# Allegro board BRD-05058-01_B04.brd (continued)
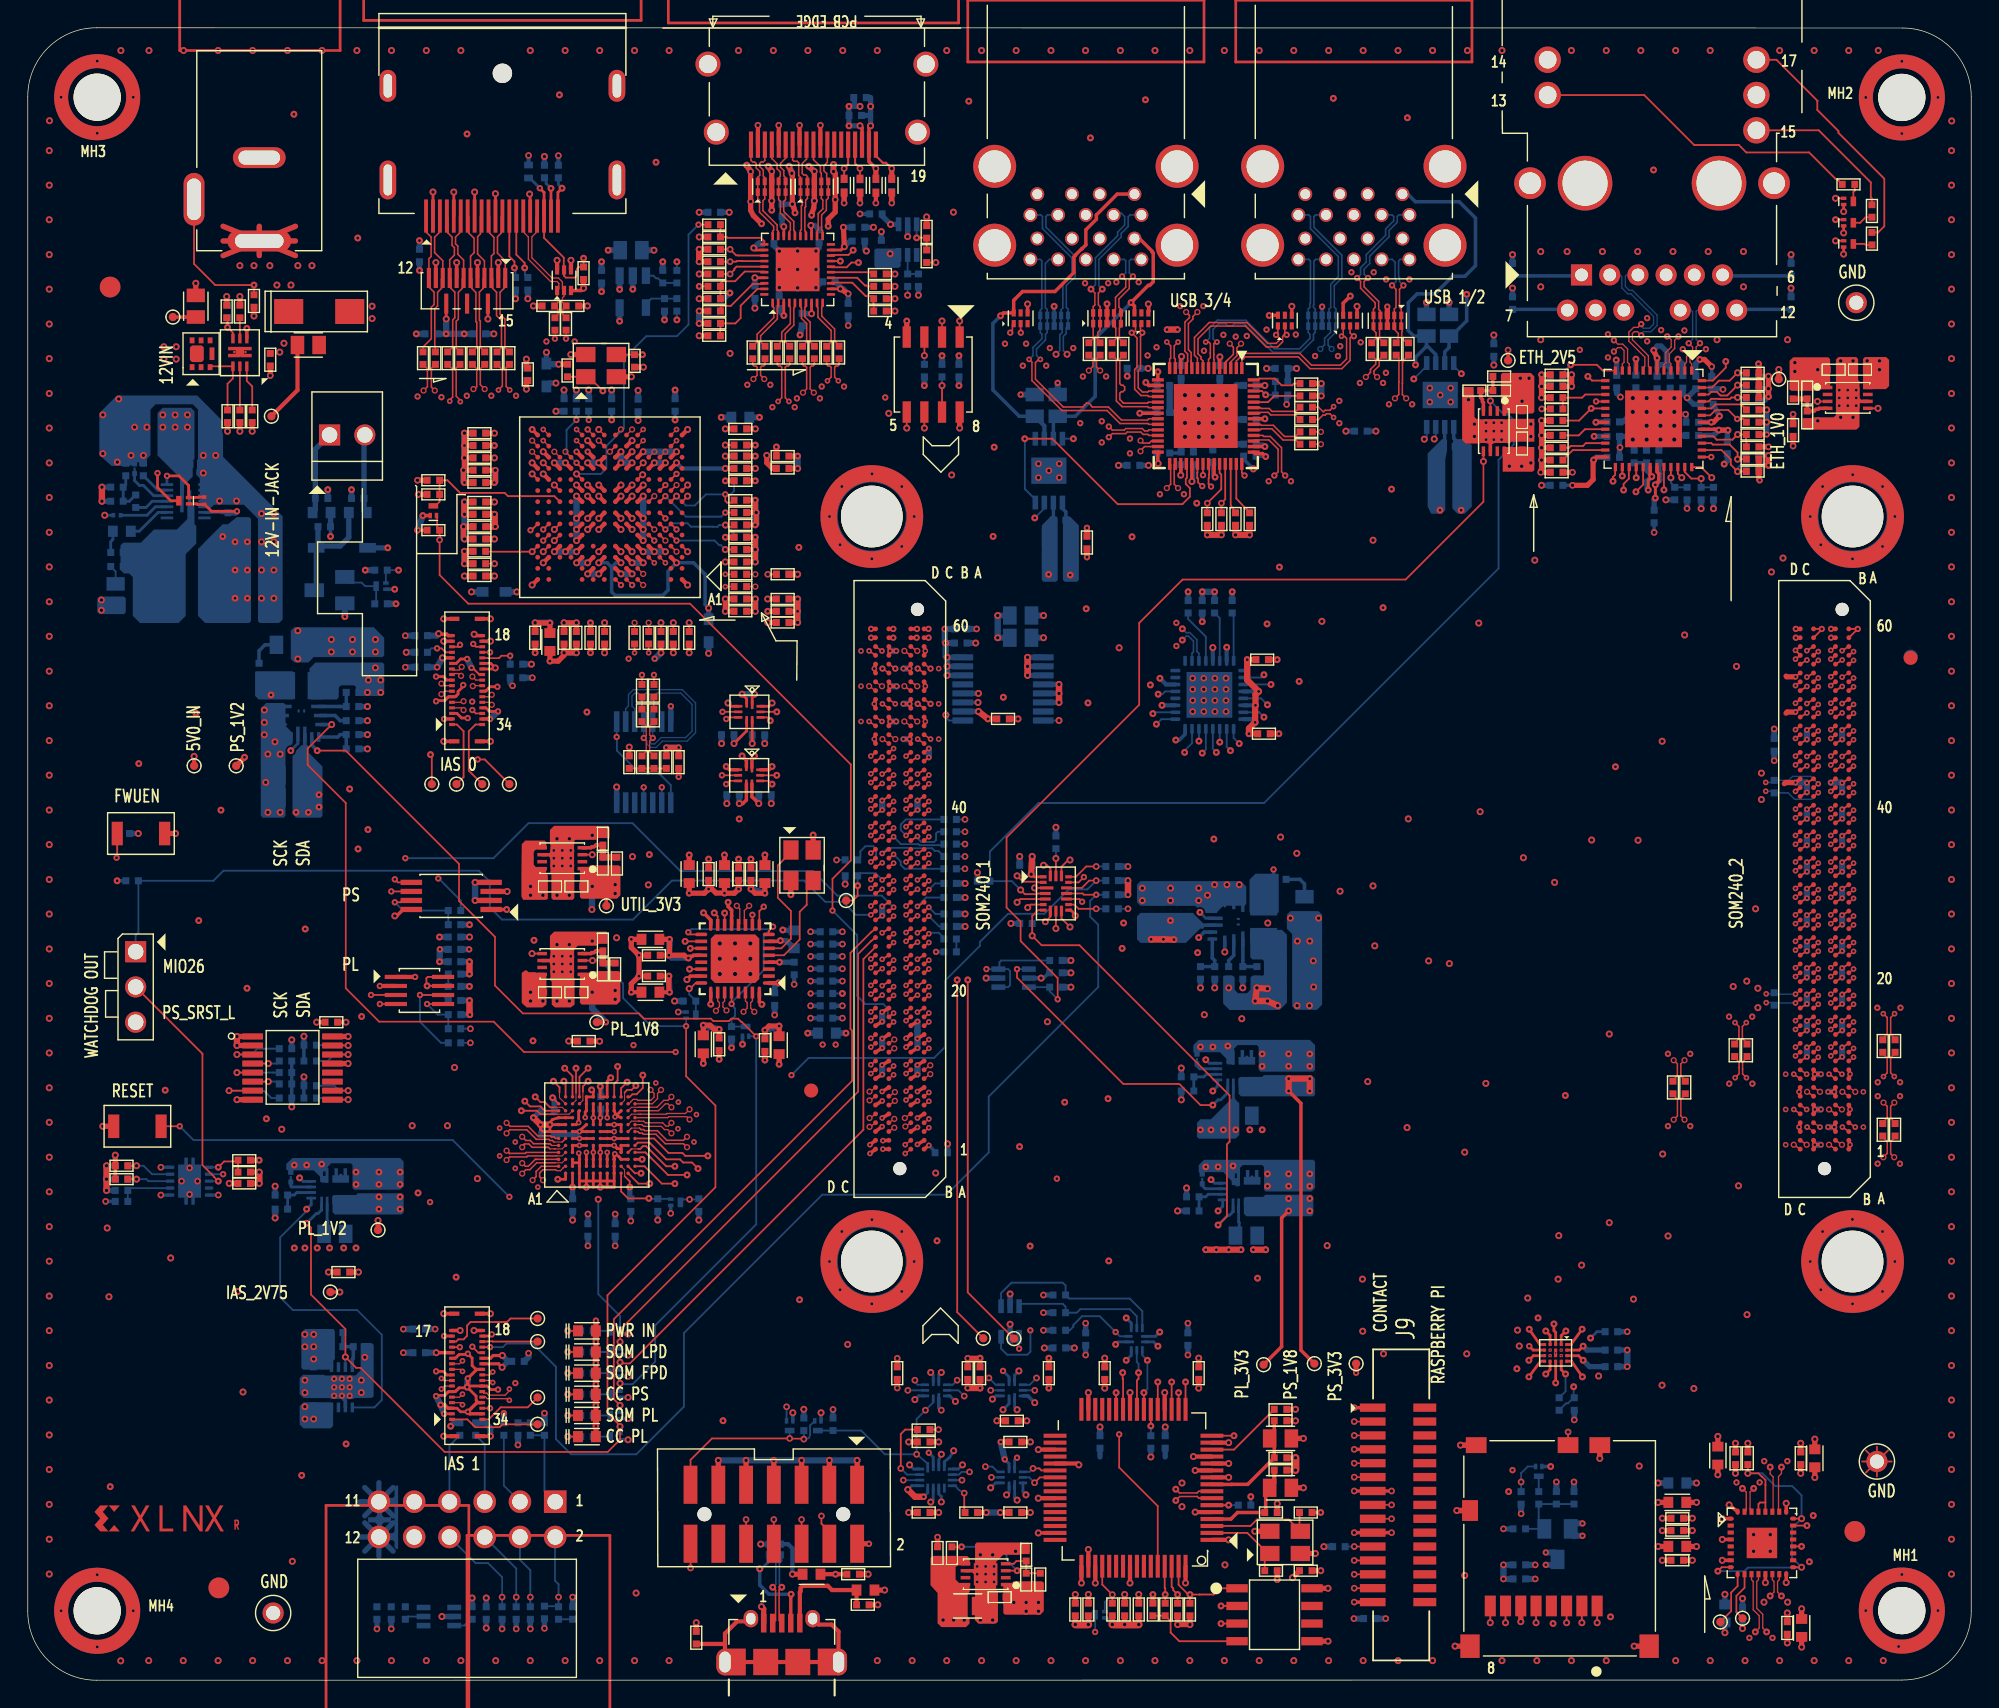
[diagram p0: board, top side]
## Library data of the parts (continued)
C39 = CAP_NP: alternate symbols: (CAPC100X50X55RND); signal model: DEFAULT_CAPACITOR_56.000000pF_2_1
C40 = CAP_NP: signal model: DEFAULT_CAPACITOR_22000pF_2_1
C52 = CAP_NP: alternate symbols: (CAPC100X50X55RND); signal model: DEFAULT_CAPACITOR_220000pF_2_1
C54 C56 C58 C60 C62 C66 C67 C69 C71 C189 C191 C193 C195 C197 C199 C201 = CAP_NP: alternate symbols: (CAPC160X80X90RND); signal model: DEFAULT_CAPACITOR_1e+06pF_2_1
C73 = CAP_NP: alternate symbols: (CAPC100X50X55RND); signal model: DEFAULT_CAPACITOR_100.000000pF_2_1
C82 C85 C95 = CAP_NP: alternate symbols: (CAPC100X50X60RND); signal model: DEFAULT_CAPACITOR_4.7e+06pF_2_1
C147 C161 C166 C222 C223 C330 C331 C337 C340 C342 = CAP_NP: alternate symbols: (CAPC100X50X55RND); signal model: DEFAULT_CAPACITOR_10000pF_2_1
C177 = CAP_NP: signal model: DEFAULT_CAPACITOR_5.6e+06pF_2_1
C178 C278 = CAP_NP: alternate symbols: (CAPC100X50X55RND); signal model: DEFAULT_CAPACITOR_2.2e+06pF_2_1
C206 = CAP_NP: signal model: DEFAULT_CAPACITOR_47000pF_2_1
C215 C216 = CAP_NP: alternate symbols: ((0402,C402-25,CAPC100X50X55L25NRND,CAPC100X50X55L30NRND,CAPC100X50X55L30N)); signal model: DEFAULT_CAPACITOR_10.000000pF_2_1
C235 = CAP_NP: alternate symbols: (CAPC100X50X55RND); signal model: DEFAULT_CAPACITOR_39.000000pF_2_1
C239 = CAP_NP: alternate symbols: (CAPC100X50X55RND); signal model: DEFAULT_CAPACITOR_22.000000pF_2_1
C240 C242 C249 C250 C252 C253 C332 C338 C339 = CAP_NP: alternate symbols: ((0402,C402-25,CAPC100X50X55L25NRND,CAPC100X50X55L30NRND,CAPC100X50X55L30N)); signal model: DEFAULT_CAPACITOR_470000pF_2_1
C262 = CAP_NP: signal model: DEFAULT_CAPACITOR_18000pF_2_1
C319-C321 = CAP_NP: alternate symbols: ((0402,C402-25,CAPC100X50X55L25NRND,CAPC100X50X55L30NRND,CAPC100X50X55L30N)); signal model: DEFAULT_CAPACITOR_6800pF_2_1
C344 = CAP_NP: alternate symbols: (CAPC100X50X56RND); signal model: DEFAULT_CAPACITOR_33.000000pF_2_1
C355-C360 C369 = CAP_NP: alternate symbols: (CAPC100X50X55RND)
C361-C368 C372-C380 = CAP_NP: alternate symbols: ((0402,C402-25,CAPC100X50X55L25NRND,CAPC100X50X55L30NRND,CAPC100X50X55L30N))
C370 C371 = CAP_NP: alternate symbols: (CAPC100X50X56RND)
D1 = DIODE_ZENER
D2 = BAT54T1G
DS1-DS6 = LED
J1 = HDR_1X3
J2 = HDR_2X6
J3 = HDR_2X7
J4 = CONN_USB_MICRO_B_TH
J5 = HDMI_CONN_PIN19_MH4
J6 = 0472720001
J7 J8 = BM20B_0.8_-34DS-0.4V_51_
J9 = 1-1734248-5
J10 = L829-1J1T-43_b
J11 = 5025700893
J12 = PJ-202AH
J13 = HDR_REMOTE_SENSE_A: signal model: DEFAULT_RESISTOR_22.000000OHM_2_1
J15-J17 = TP-HOOK: alternate symbols: (TP_KEY_MINI_DNP)
JA1 JA2 = SAMTEC-ADx6-60X4
L1 = IND: signal model: DEFAULT_INDUCTOR_1200nH_2_1
L2-L5 L8-L12 = IND
MH1-MH4 = HOLE
MH5-MH8 = MECH_SPACER
Q1-Q4 Q6-Q13 Q15-Q17 Q19-Q22 = DMN26D0UFB4
Q5 = IRFHS8342
Q14 = NDS336P
Q18 = FET-3PIN
R1 R13 R43 R54 R219 R220 = RES: signal model: DEFAULT_RESISTOR_200000OHM_2_1
R2 = RES: alternate symbols: (0402); signal model: DEFAULT_RESISTOR_44200OHM_2_1
R4 R5 R7 R12 R28 R42 R243 R244 = RES: signal model: DEFAULT_RESISTOR_100000OHM_2_1
R6 R15 R17 R23 R29 R38 R40 R41 R45-R51 R61 R74 R76 R77 R87 R88 R91 R104-R108 R110 R111 R116-R120 R122 R125 R155 R169 R177-R181 R184 R187-R190 R195 R196 R207-R210 R216-R218 R233-R235 R241 R247 R259-R263 = RES: alternate symbols: (RESC100X50X40RND); signal model: DEFAULT_RESISTOR_10000OHM_2_1
R10 R21 R26 = RES: alternate symbols: (RESC100X50X40RND); signal model: DEFAULT_RESISTOR_40200OHM_2_1
R14 R18 = RES: signal model: DEFAULT_RESISTOR_68000OHM_2_1
R16 = RES: alternate symbols: ((0402,C402-25,RESC100X50X40L25NRND)); signal model: DEFAULT_RESISTOR_34000OHM_2_1
R20 = RES: alternate symbols: ((0402,C402-25,RESC100X50X40L25NRND)); signal model: DEFAULT_RESISTOR_15000OHM_2_1
R24 = RES: signal model: DEFAULT_RESISTOR_26100OHM_2_1
R27 = RES: alternate symbols: (RESC100X50X40RND); signal model: DEFAULT_RESISTOR_45300OHM_2_1
R30 = RES: alternate symbols: (RESC100X50X40RND); signal model: DEFAULT_RESISTOR_20000OHM_2_1
R31 = RES: alternate symbols: ((0402,C402-25,RESC100X50X40L25NRND)); signal model: DEFAULT_RESISTOR_2700OHM_2_1
R32 R75 R256 = RES: alternate symbols: (RESC100X50X40RND); signal model: DEFAULT_RESISTOR_1000.000000OHM_2_1
R33 = RES: signal model: DEFAULT_RESISTOR_0.001OHM_2_1
R34 = RES: alternate symbols: (RESC60X30X26RND); signal model: DEFAULT_RESISTOR_100000OHM_2_1
R36 R39 = RES: signal model: DEFAULT_RESISTOR_56200OHM_2_1
R44 R66 R73 R90 R175 R176 R182 R183 R185 R186 R197-R200 R202 R203 R222 R255 = RES: alternate symbols: (RESC100X50X40RND); signal model: DEFAULT_RESISTOR_0.001OHM_2_1
R55 R56 R58-R60 R63-R65 R102 R103 R257 R258 = RES: alternate symbols: ((0402,C402-25,RESC100X50X40L25NRND)); signal model: DEFAULT_RESISTOR_2210OHM_2_1
R57 R62 R171 = RES: signal model: DEFAULT_RESISTOR_1500OHM_2_1
R78 = RES: alternate symbols: (RESC100X50X40RND); signal model: DEFAULT_RESISTOR_2000OHM_2_1
R79 R221 = RES: alternate symbols: (RESC100X50X40RND); signal model: DEFAULT_RESISTOR_12000OHM_2_1
R80 R81 R84 = RES: alternate symbols: (RESC100X50X40RND); signal model: DEFAULT_RESISTOR_249.000000OHM_2_1
R83 R85 R264 = RES: alternate symbols: (RESC100X50X40RND); signal model: DEFAULT_RESISTOR_20.000000OHM_2_1
R89 = RES: alternate symbols: (RESC100X50X40RND); signal model: DEFAULT_RESISTOR_4020OHM_2_1
R109 = RES: alternate symbols: ((0402,C402-25,RESC100X50X40L25NRND)); signal model: DEFAULT_RESISTOR_5760OHM_2_1
R112 R124 R127 R157-R161 R254 = RES: alternate symbols: (RESC100X50X40RND); signal model: DEFAULT_RESISTOR_261.000000OHM_2_1
R113-R115 R130 R137 R138 R141 R145 R146 R151 R153 R154 R192 R193 R232 R236 R237 R240 = RES: alternate symbols: (RESC100X50X40RND); signal model: DEFAULT_RESISTOR_4700OHM_2_1
R121 R123 R170 = RES: signal model: DEFAULT_RESISTOR_2490OHM_2_1
R126 = RES: alternate symbols: (RESC100X50X40RND); signal model: DEFAULT_RESISTOR_11000OHM_2_1
R133 = RES: alternate symbols: ((0402,C402-25,RESC100X50X40L25NRND)); signal model: DEFAULT_RESISTOR_300000OHM_2_1
R134 = RES: signal model: DEFAULT_RESISTOR_274000OHM_2_1
R135 = RES: signal model: DEFAULT_RESISTOR_422.000000OHM_2_1
R162-R165 = RES: alternate symbols: (RESC100X50X40RND); signal model: DEFAULT_RESISTOR_499.000000OHM_2_1
R166 R167 R174 R194 R205 R206 = RES: alternate symbols: (RESC100X50X40RND); signal model: DEFAULT_RESISTOR_100000OHM_2_1
R168 = RES: alternate symbols: ((0402,C402-25,RESC100X50X40L25NRND)); signal model: DEFAULT_RESISTOR_3010OHM_2_1
R172 R173 = RES: alternate symbols: (RESC100X50X40RND); signal model: DEFAULT_RESISTOR_49.900000OHM_2_1
R213 = RES: alternate symbols: (RESC100X50X40RND); signal model: DEFAULT_RESISTOR_8060OHM_2_1
R223-R225 = RES: signal model: DEFAULT_RESISTOR_1.000000OHM_2_1
R248-R253 = RES: signal model: DEFAULT_RESISTOR_30.000000OHM_2_1
R265 = RES: alternate symbols: (RESC60X30X26RND)
R266-R288 = RES: alternate symbols: (RESC100X50X40RND)
SW1 SW2 = BTN_MOMENT
TP1 TP3 TP5 TP7 TP9 TP11 TP13 TP15 TP17 TP19 TP21 TP23 TP24 TP27-TP39 = TP
U1 U2 = MPM3840
U3-U5 = MPM3810A
U6 = MP8771: alternate symbols: (QFN40P300X300X100-16)
U7-U12 = MP8904
U13 = TPS3430
U14 = INA260AIPW
U15 = M24C64
U16 = PCA9306DCTR
U17 U40 = SI5332F
U18 = TCA9546A
U19 = SLG7XL44677
U22 = SN74AVC4T245
U23 U70 = NC7WZ07
U24 = FT4232HL
U25 U28 U30 U64 U65 U71 = SN74AVC2T245
U26 = 93LC56B
U27 = STDP4320
U29 = FIN1019
U31 = SST25VF020B
U32 = SN75DP139
U33 = STMPS2151
U34 = AP1302
U36 = DP83867CRRGZ
U37 = USB3320_QFN32
U38 = NVT4857UK
U41 = MP5016H
U42 U48 = TPS22948
U43 = USB5744
U44 U46 = GSB311231HR
U45 U47 = MP62341DH
U49 U52 U55 U58 = TPD1E05U06DPYT
U50 U51 U66-U69 = TPD4E05U06DQAR
U61 = TPD8S009DSMR
U62 = TPD4E001DRLR
X1 X5-X8 = TPD4S012
X2-X4 = ABM8_XTAL
Z1 Z2 Z4 Z5 = 0201_SHORT

## Footprints (pads in the part's own frame, mm; a bottom-side part is the same pattern mirrored in y, then rotated)
0201_SHORT
  rect 0.381x0.381 smd: 1(-0.292,0)
  custom 0.61x0.356 smd: 2(0.292,0)
87832_1420
  round 1.016 hole 1.016 unplated: (-5,0) (5,0)
  rect 1x2.75 smd: 1(-6,-2.125) 2(-6,2.125) 3(-4,-2.125) 4(-4,2.125) 5(-2,-2.125) 6(-2,2.125) 7(0,-2.125) 8(0,2.125) 9(2,-2.125) 10(2,2.125) 11(4,-2.125) 12(4,2.125) 13(6,-2.125) 14(6,2.125)
BGA120C50X50P12X12_660X660X80
  round 0.25 smd: A2(-2.25,2.75) A3(-1.75,2.75) A4(-1.25,2.75) A5(-0.75,2.75) A6(-0.25,2.75) A7(0.25,2.75) A8(0.75,2.75) A9(1.25,2.75) A10(1.75,2.75) A11(2.25,2.75) B1(-2.75,2.25) B2(-2.25,2.25) B3(-1.75,2.25) B4(-1.25,2.25) B5(-0.75,2.25) B6(-0.25,2.25) B7(0.25,2.25) B8(0.75,2.25) B9(1.25,2.25) B10(1.75,2.25) B11(2.25,2.25) B12(2.75,2.25) C1(-2.75,1.75) C2(-2.25,1.75) C3(-1.75,1.75) C4(-1.25,1.75) C5(-0.75,1.75) C6(-0.25,1.75) C7(0.25,1.75) C8(0.75,1.75) C9(1.25,1.75) C10(1.75,1.75) C11(2.25,1.75) C12(2.75,1.75) D1(-2.75,1.25) D2(-2.25,1.25) D3(-1.75,1.25) D10(1.75,1.25) D11(2.25,1.25) D12(2.75,1.25) E1(-2.75,0.75) E2(-2.25,0.75) E3(-1.75,0.75) E5(-0.75,0.75) E6(-0.25,0.75) E7(0.25,0.75) E8(0.75,0.75) E10(1.75,0.75) E11(2.25,0.75) E12(2.75,0.75) F1(-2.75,0.25) F2(-2.25,0.25) F3(-1.75,0.25) F5(-0.75,0.25) F6(-0.25,0.25) F7(0.25,0.25) F8(0.75,0.25) F10(1.75,0.25) F11(2.25,0.25) F12(2.75,0.25) G1(-2.75,-0.25) G2(-2.25,-0.25) G3(-1.75,-0.25) G5(-0.75,-0.25) G6(-0.25,-0.25) G7(0.25,-0.25) G8(0.75,-0.25) G10(1.75,-0.25) G11(2.25,-0.25) G12(2.75,-0.25) H1(-2.75,-0.75) H2(-2.25,-0.75) H3(-1.75,-0.75) H5(-0.75,-0.75) H6(-0.25,-0.75) H7(0.25,-0.75) H8(0.75,-0.75) H10(1.75,-0.75) H11(2.25,-0.75) H12(2.75,-0.75) J1(-2.75,-1.25) J2(-2.25,-1.25) J3(-1.75,-1.25) J10(1.75,-1.25) J11(2.25,-1.25) J12(2.75,-1.25) K1(-2.75,-1.75) K2(-2.25,-1.75) K3(-1.75,-1.75) K4(-1.25,-1.75) K5(-0.75,-1.75) K6(-0.25,-1.75) K7(0.25,-1.75) K8(0.75,-1.75) K9(1.25,-1.75) K10(1.75,-1.75) K11(2.25,-1.75) K12(2.75,-1.75) L1(-2.75,-2.25) L2(-2.25,-2.25) L3(-1.75,-2.25) L4(-1.25,-2.25) L5(-0.75,-2.25) L6(-0.25,-2.25) L7(0.25,-2.25) L8(0.75,-2.25) L9(1.25,-2.25) L10(1.75,-2.25) L11(2.25,-2.25) L12(2.75,-2.25) M2(-2.25,-2.75) M3(-1.75,-2.75) M4(-1.25,-2.75) M5(-0.75,-2.75) M6(-0.25,-2.75) M7(0.25,-2.75) M8(0.75,-2.75) M9(1.25,-2.75) M10(1.75,-2.75) M11(2.25,-2.75)
BGA172C80P14X14_1215X1215X170
  round 0.35 smd: A1(-5.2,5.2) A2(-4.4,5.2) A5(-2,5.2) A6(-1.2,5.2) A7(-0.4,5.2) A8(0.4,5.2) A9(1.2,5.2) A10(2,5.2) A13(4.4,5.2) A14(5.2,5.2) B1(-5.2,4.4) B2(-4.4,4.4) B5(-2,4.4) B6(-1.2,4.4) B7(-0.4,4.4) B8(0.4,4.4) B9(1.2,4.4) B10(2,4.4) B13(4.4,4.4) B14(5.2,4.4) C1(-5.2,3.6) C2(-4.4,3.6) C3(-3.6,3.6) C4(-2.8,3.6) C5(-2,3.6) C6(-1.2,3.6) C7(-0.4,3.6) C8(0.4,3.6) C9(1.2,3.6) C10(2,3.6) C11(2.8,3.6) C12(3.6,3.6) C13(4.4,3.6) C14(5.2,3.6) D1(-5.2,2.8) D2(-4.4,2.8) D3(-3.6,2.8) D4(-2.8,2.8) D5(-2,2.8) D6(-1.2,2.8) D7(-0.4,2.8) D8(0.4,2.8) D9(1.2,2.8) D10(2,2.8) D11(2.8,2.8) D12(3.6,2.8) D13(4.4,2.8) D14(5.2,2.8) E1(-5.2,2) E2(-4.4,2) E3(-3.6,2) E4(-2.8,2) E5(-2,2) E10(2,2) E11(2.8,2) E12(3.6,2) E13(4.4,2) E14(5.2,2) F1(-5.2,1.2) F2(-4.4,1.2) F3(-3.6,1.2) F4(-2.8,1.2) F5(-2,1.2) F6(-1.2,1.2) F7(-0.4,1.2) F8(0.4,1.2) F9(1.2,1.2) F10(2,1.2) F11(2.8,1.2) F12(3.6,1.2) F13(4.4,1.2) F14(5.2,1.2) G1(-5.2,0.4) G2(-4.4,0.4) G3(-3.6,0.4) G4(-2.8,0.4) G5(-2,0.4) G6(-1.2,0.4) G7(-0.4,0.4) G8(0.4,0.4) G9(1.2,0.4) G10(2,0.4) G11(2.8,0.4) G12(3.6,0.4) G13(4.4,0.4) G14(5.2,0.4) H1(-5.2,-0.4) H2(-4.4,-0.4) H3(-3.6,-0.4) H4(-2.8,-0.4) H5(-2,-0.4) H6(-1.2,-0.4) H7(-0.4,-0.4) H8(0.4,-0.4) H9(1.2,-0.4) H10(2,-0.4) H11(2.8,-0.4) H12(3.6,-0.4) H13(4.4,-0.4) H14(5.2,-0.4) J1(-5.2,-1.2) J2(-4.4,-1.2) J3(-3.6,-1.2) J4(-2.8,-1.2) J5(-2,-1.2) J6(-1.2,-1.2) J7(-0.4,-1.2) J8(0.4,-1.2) J9(1.2,-1.2) J10(2,-1.2) J11(2.8,-1.2) J12(3.6,-1.2) J13(4.4,-1.2) J14(5.2,-1.2) K1(-5.2,-2) K2(-4.4,-2) K3(-3.6,-2) K4(-2.8,-2) K5(-2,-2) K10(2,-2) K11(2.8,-2) K12(3.6,-2) K13(4.4,-2) K14(5.2,-2) L1(-5.2,-2.8) L2(-4.4,-2.8) L3(-3.6,-2.8) L4(-2.8,-2.8) L5(-2,-2.8) L6(-1.2,-2.8) L7(-0.4,-2.8) L8(0.4,-2.8) L9(1.2,-2.8) L10(2,-2.8) L11(2.8,-2.8) L12(3.6,-2.8) L13(4.4,-2.8) L14(5.2,-2.8) M1(-5.2,-3.6) M2(-4.4,-3.6) M3(-3.6,-3.6) M4(-2.8,-3.6) M5(-2,-3.6) M6(-1.2,-3.6) M7(-0.4,-3.6) M8(0.4,-3.6) M9(1.2,-3.6) M10(2,-3.6) M11(2.8,-3.6) M12(3.6,-3.6) M13(4.4,-3.6) M14(5.2,-3.6) N1(-5.2,-4.4) N2(-4.4,-4.4) N5(-2,-4.4) N6(-1.2,-4.4) N7(-0.4,-4.4) N8(0.4,-4.4) N9(1.2,-4.4) N10(2,-4.4) N13(4.4,-4.4) N14(5.2,-4.4) P1(-5.2,-5.2) P2(-4.4,-5.2) P5(-2,-5.2) P6(-1.2,-5.2) P7(-0.4,-5.2) P8(0.4,-5.2) P9(1.2,-5.2) P10(2,-5.2) P13(4.4,-5.2) P14(5.2,-5.2)
CAPC100X50X50
  rect 0.5x0.51 smd: 1(-0.45,0) 2(0.45,0)
CAPC100X50X55
  rect 0.5x0.51 smd: 1(-0.45,0) 2(0.45,0)
CAPC100X50X55#2
  rect 0.483x0.635 smd: 1(-0.467,0) 2(0.467,0)
CAPC100X50X56
  rect 0.5x0.51 smd: 1(-0.45,0) 2(0.45,0)
CAPC100X50X60
  rect 0.5x0.51 smd: 1(-0.45,0) 2(0.45,0)
CAPC100X50X70
  rect 0.5x0.51 smd: 1(-0.45,0) 2(0.45,0)
CAPC160X80X90
  rect 0.71x0.81 smd: 1(-0.645,0) 2(0.645,0)
CAPC160X80X100
  rect 0.71x0.81 smd: 1(-0.645,0) 2(0.645,0)
CAPC200X125X125
  rect 0.98x1.32 smd: 1(-0.78,0) 2(0.78,0)
CAPC200X125X145
  rect 0.98x1.32 smd: 1(-0.78,0) 2(0.78,0)
CON_BEL_ETH_L829_1J1T_43_G
  round 3.937 hole 3.251: (0.254,6.604) (9.906,6.604)
  rect 1.524x1.524 hole 0.914: 1(0,0)
  round 1.524 hole 0.914: 2(2.032,0) 3(4.064,0) 4(6.096,0) 5(8.128,0) 6(10.16,0) 7(-1.016,-2.54) 8(1.016,-2.54) 9(3.048,-2.54) 10(7.112,-2.54) 11(9.144,-2.54) 12(11.176,-2.54)
  round 1.905 hole 1.27: 13(-2.438,12.954) 14(-2.438,15.494) 15(12.598,10.414) 16(12.598,12.954) 17(12.598,15.494)
  round 2.286 hole 1.575: SH1(-3.708,6.604) SH2(13.868,6.604)
CON_CUI_PJ202AH
  oval 1.5x4.6 hole 1.016x3.505: 1(0,0)
  oval 1.5x3.8 hole 1.016x2.997: 2(6,0)
  oval 3.8x1.5 hole 2.997x1.016: 3(3,4.7)
CON_HR_ZX62D_AB_5P8
  rect 0.4x1.35 smd: 1(-1.3,0) 2(-0.65,0) 3(0,0) 4(0.65,0) 5(1.3,0)
  oval 1.23x1.9 hole 0.813x1.499: 6(4.089,-2.802) 9(-4.089,-2.802)
  rect 1.8x1.9 smd: 7(1.156,-2.802) 8(-1.156,-2.802)
  oval 1.05x1.25 hole 0.66x0.838: 10(-2.226,0.323) 11(2.226,0.323)
CON_MOL_10P_5025700893
  rect 0.8x1.5 smd: 1(0,0) 2(1.1,0) 3(2.2,0) 4(3.3,0) 5(4.4,0) 6(5.5,0) 7(6.6,0) 8(7.7,0)
  rect 1.4x1.7 smd: 9(-3.747,2.896) 10(9.157,2.896)
  rect 1.15x1.5 smd: 11(9.157,-6.871)
  rect 1.5x1.15 smd: 12(8.712,-11.582) 13(2.095,-11.582) 14(-0.191,-11.582)
CON_MOLEX_47272
  round 1.4 hole 1.397 unplated: (0,0)
  rect 0.28x2.4 smd: 1(5.5,10.28) 2(5,10.28) 3(4.5,10.28) 4(4,10.28) 5(3.5,10.28) 6(3,10.28) 7(2.5,10.28) 8(2,10.28) 9(1.5,10.28) 10(1,10.28) 11(0.5,10.28) 12(0,10.28) 13(-0.5,10.28) 14(-1,10.28) 15(-1.5,10.28) 16(-2,10.28) 17(-2.5,10.28) 18(-3,10.28) 19(-3.5,10.28) 20(-4,10.28)
  oval 1.2x2.8 hole 0.61x2.235: 21(-8.25,7.68) 24(8.25,7.68)
  oval 1.2x2.3 hole 0.61x1.702: 22(-8.25,0.9) 23(8.25,0.9)
CON_SAMTEC_ADM6_60_4
  round 0.95 hole 0.95 unplated: (-20.135,1.27) (20.135,0)
  round 0.356 smd: A1(18.733,1.75) A2(18.098,1.75) A3(17.462,1.75) A4(16.828,1.75) A5(16.192,1.75) A6(15.557,1.75) A7(14.922,1.75) A8(14.287,1.75) A9(13.652,1.75) A10(13.018,1.75) A11(12.383,1.75) A12(11.748,1.75) A13(11.113,1.75) A14(10.477,1.75) A15(9.842,1.75) A16(9.207,1.75) A17(8.572,1.75) A18(7.938,1.75) A19(7.303,1.75) A20(6.668,1.75) A21(6.032,1.75) A22(5.397,1.75) A23(4.763,1.75) A24(4.128,1.75) A25(3.493,1.75) A26(2.857,1.75) A27(2.223,1.75) A28(1.587,1.75) A29(0.953,1.75) A30(0.318,1.75) A31(-0.318,1.75) A32(-0.953,1.75) A33(-1.587,1.75) A34(-2.223,1.75) A35(-2.857,1.75) A36(-3.493,1.75) A37(-4.128,1.75) A38(-4.763,1.75) A39(-5.397,1.75) A40(-6.032,1.75) A41(-6.668,1.75) A42(-7.303,1.75) A43(-7.938,1.75) A44(-8.572,1.75) A45(-9.207,1.75) A46(-9.842,1.75) A47(-10.477,1.75) A48(-11.113,1.75) A49(-11.748,1.75) A50(-12.383,1.75) A51(-13.018,1.75) A52(-13.652,1.75) A53(-14.287,1.75) A54(-14.922,1.75) A55(-15.557,1.75) A56(-16.192,1.75) A57(-16.828,1.75) A58(-17.462,1.75) A59(-18.098,1.75) A60(-18.733,1.75) B1(18.733,0.79) B2(18.098,0.79) B3(17.462,0.79) B4(16.828,0.79) B5(16.192,0.79) B6(15.557,0.79) B7(14.922,0.79) B8(14.287,0.79) B9(13.652,0.79) B10(13.018,0.79) B11(12.383,0.79) B12(11.748,0.79) B13(11.113,0.79) B14(10.477,0.79) B15(9.842,0.79) B16(9.207,0.79) B17(8.572,0.79) B18(7.938,0.79) B19(7.303,0.79) B20(6.668,0.79) B21(6.032,0.79) B22(5.397,0.79) B23(4.763,0.79) B24(4.128,0.79) B25(3.493,0.79) B26(2.857,0.79) B27(2.223,0.79) B28(1.587,0.79) B29(0.953,0.79) B30(0.318,0.79) B31(-0.318,0.79) B32(-0.953,0.79) B33(-1.587,0.79) B34(-2.223,0.79) B35(-2.857,0.79) B36(-3.493,0.79) B37(-4.128,0.79) B38(-4.763,0.79) B39(-5.397,0.79) B40(-6.032,0.79) B41(-6.668,0.79) B42(-7.303,0.79) B43(-7.938,0.79) B44(-8.572,0.79) B45(-9.207,0.79) B46(-9.842,0.79) B47(-10.477,0.79) B48(-11.113,0.79) B49(-11.748,0.79) B50(-12.383,0.79) B51(-13.018,0.79) B52(-13.652,0.79) B53(-14.287,0.79) B54(-14.922,0.79) B55(-15.557,0.79) B56(-16.192,0.79) B57(-16.828,0.79) B58(-17.462,0.79) B59(-18.098,0.79) B60(-18.733,0.79) C1(18.733,-0.79) C2(18.098,-0.79) C3(17.462,-0.79) C4(16.828,-0.79) C5(16.192,-0.79) C6(15.557,-0.79) C7(14.922,-0.79) C8(14.287,-0.79) C9(13.652,-0.79) C10(13.018,-0.79) C11(12.383,-0.79) C12(11.748,-0.79) C13(11.113,-0.79) C14(10.477,-0.79) C15(9.842,-0.79) C16(9.207,-0.79) C17(8.572,-0.79) C18(7.938,-0.79) C19(7.303,-0.79) C20(6.668,-0.79) C21(6.032,-0.79) C22(5.397,-0.79) C23(4.763,-0.79) C24(4.128,-0.79) C25(3.493,-0.79) C26(2.857,-0.79) C27(2.223,-0.79) C28(1.587,-0.79) C29(0.953,-0.79) C30(0.318,-0.79) C31(-0.318,-0.79) C32(-0.953,-0.79) C33(-1.587,-0.79) C34(-2.223,-0.79) C35(-2.857,-0.79) C36(-3.493,-0.79) C37(-4.128,-0.79) C38(-4.763,-0.79) C39(-5.397,-0.79) C40(-6.032,-0.79) C41(-6.668,-0.79) C42(-7.303,-0.79) C43(-7.938,-0.79) C44(-8.572,-0.79) C45(-9.207,-0.79) C46(-9.842,-0.79) C47(-10.477,-0.79) C48(-11.113,-0.79) C49(-11.748,-0.79) C50(-12.383,-0.79) C51(-13.018,-0.79) C52(-13.652,-0.79) C53(-14.287,-0.79) C54(-14.922,-0.79) C55(-15.557,-0.79) C56(-16.192,-0.79) C57(-16.828,-0.79) C58(-17.462,-0.79) C59(-18.098,-0.79) C60(-18.733,-0.79) D1(18.733,-1.75) D2(18.098,-1.75) D3(17.462,-1.75) D4(16.828,-1.75) D5(16.192,-1.75) D6(15.557,-1.75) D7(14.922,-1.75) D8(14.287,-1.75) D9(13.652,-1.75) D10(13.018,-1.75) D11(12.383,-1.75) D12(11.748,-1.75) D13(11.113,-1.75) D14(10.477,-1.75) D15(9.842,-1.75) D16(9.207,-1.75) D17(8.572,-1.75) D18(7.938,-1.75) D19(7.303,-1.75) D20(6.668,-1.75) D21(6.032,-1.75) D22(5.397,-1.75) D23(4.763,-1.75) D24(4.128,-1.75) D25(3.493,-1.75) D26(2.857,-1.75) D27(2.223,-1.75) D28(1.587,-1.75) D29(0.953,-1.75) D30(0.318,-1.75) D31(-0.318,-1.75) D32(-0.953,-1.75) D33(-1.587,-1.75) D34(-2.223,-1.75) D35(-2.857,-1.75) D36(-3.493,-1.75) D37(-4.128,-1.75) D38(-4.763,-1.75) D39(-5.397,-1.75) D40(-6.032,-1.75) D41(-6.668,-1.75) D42(-7.303,-1.75) D43(-7.938,-1.75) D44(-8.572,-1.75) D45(-9.207,-1.75) D46(-9.842,-1.75) D47(-10.477,-1.75) D48(-11.113,-1.75) D49(-11.748,-1.75) D50(-12.383,-1.75) D51(-13.018,-1.75) D52(-13.652,-1.75) D53(-14.287,-1.75) D54(-14.922,-1.75) D55(-15.557,-1.75) D56(-16.192,-1.75) D57(-16.828,-1.75) D58(-17.462,-1.75) D59(-18.098,-1.75) D60(-18.733,-1.75)
CON_TE_1_1734248_5_FPC_VERT
  rect 0.6x1.85 smd: 1(7,1.875) 2(6,1.875) 3(5,1.875) 4(4,1.875) 5(3,1.875) 6(2,1.875) 7(1,1.875) 8(0,1.875) 9(-1,1.875) 10(-2,1.875) 11(-3,1.875) 12(-4,1.875) 13(-5,1.875) 14(-6,1.875) 15(-7,1.875)
  rect 0.6x1.65 smd: 16(7,-1.875) 17(6,-1.875) 18(5,-1.875) 19(4,-1.875) 20(3,-1.875) 21(2,-1.875) 22(1,-1.875) 23(0,-1.875) 24(-1,-1.875) 25(-2,-1.875) 26(-3,-1.875) 27(-4,-1.875) 28(-5,-1.875) 29(-6,-1.875) 30(-7,-1.875)
CON_WE_WA-SMST_6MM
  round 4.445 hole 4.445 unplated: (0,0)
  round 0.32 smd: 1(0,3)
CONN_928X90X80_38P
  rect 0.23x0.42 smd: 1(-3.2,1.09) 2(-2.8,1.09) 3(-2.4,1.09) 4(-2,1.09) 5(-1.6,1.09) 6(-1.2,1.09) 7(-0.8,1.09) 8(-0.4,1.09) 9(0,1.09) 10(0.4,1.09) 11(0.8,1.09) 12(1.2,1.09) 13(1.6,1.09) 14(2,1.09) 15(2.4,1.09) 16(2.8,1.09) 17(3.2,1.09) 18(3.2,-1.09) 19(2.8,-1.09) 20(2.4,-1.09) 21(2,-1.09) 22(1.6,-1.09) 23(1.2,-1.09) 24(0.8,-1.09) 25(0.4,-1.09) 26(0,-1.09) 27(-0.4,-1.09) 28(-0.8,-1.09) 29(-1.2,-1.09) 30(-1.6,-1.09) 31(-2,-1.09) 32(-2.4,-1.09) 33(-2.8,-1.09) 34(-3.2,-1.09)
  rect 0.31x0.75 smd: G1(-4.41,0.925) G2(4.41,0.925) G3(4.41,-0.925) G4(-4.41,-0.925)
CONN_STW_SS_53000_001
  rect 0.3x1.9 smd: 1(4.75,4.57) 2(4.25,4.57) 3(3.75,4.57) 4(3.25,4.57) 5(2.75,4.57) 6(2.25,4.57) 7(1.75,4.57) 8(1.25,4.57) 9(0.75,4.57) 10(0.25,4.57) 11(-0.25,4.57) 12(-0.75,4.57) 13(-1.25,4.57) 14(-1.75,4.57) 15(-2.25,4.57) 16(-2.75,4.57) 17(-3.25,4.57) 18(-3.75,4.57) 19(-4.25,4.57)
  round 1.803 hole 1.295: 20(7.25,3.67) 21(7.85,-1.23) 22(-7.85,-1.23) 23(-7.25,3.67)
CONN_USB_DUAL_GSB311231HR
  round 1 hole 0.711: 1(-1.5,3.5) 2(-1.5,1) 3(-1.5,-1) 4(-1.5,-3.5) 5(0,-4) 6(0,-2) 7(0,0) 8(0,2) 9(0,4) 10(1.7,3.5) 11(1.7,1) 12(1.7,-1) 13(1.7,-3.5) 14(3.2,-4) 15(3.2,-2) 16(3.2,0) 17(3.2,2) 18(3.2,4)
  round 3.1 hole 2.311: 19(-3.5,-6.57) 20(2.18,-6.57) 21(2.18,6.57) 22(-3.5,6.57)
DCT_R_PDSO_G8
  rect 0.3x1.6 smd: 1(-0.975,-1.7) 2(-0.325,-1.7) 3(0.325,-1.7) 4(0.975,-1.7) 5(0.975,1.7) 6(0.325,1.7) 7(-0.325,1.7) 8(-0.975,1.7)
DFN_105X65X40_3
  rect 0.4x0.25 smd: 1(-0.35,0.225) 2(-0.35,-0.225)
  rect 0.4x0.7 smd: 3(0.35,0)
DIOC100X60X45
  rect 0.6x0.5 smd: 1(-0.5,0) 2(0.5,0)
DO_214AC
  rect 2.1x1.8 smd: 1(-2.2,0) 2(2.2,0)
DQA_R_PSON_N10
  rect 0.3x0.55 smd: 1(-1,-0.385) 2(-0.5,-0.385) 4(0.5,-0.385) 5(1,-0.385) 6(1,0.385) 7(0.5,0.385) 9(-0.5,0.385) 10(-1,0.385)
  rect 0.39x0.55 smd: 3(0,-0.385) 8(0,0.385)
DRL_R_PDSO_N6
  rect 0.3x0.67 smd: 1(-0.5,-0.74) 2(0,-0.74) 3(0.5,-0.74) 4(0.5,0.74) 5(0,0.74) 6(-0.5,0.74)
DRY_6_SON
  rect 0.3x0.52 smd: 1(-0.5,-0.385) 2(0,-0.385) 3(0.5,-0.385) 4(0.5,0.385) 5(0,0.385) 6(-0.5,0.385)
HDR_1X2_LOCK_MOLEX
  rect 1.524x1.524 hole 1.118: 1(0,0)
  round 1.524 hole 1.118: 2(2.54,0)
HDR_1X3
  rect 1.524x1.524 hole 1.118: 1(0,0)
  round 1.524 hole 1.118: 2(2.54,0) 3(5.08,0)
HDR_F2X6_PMOD
  rect 1.626x1.626 hole 1.118: 1(6.35,2.54)
  round 1.626 hole 1.118: 2(6.35,0) 3(3.81,2.54) 4(3.81,0) 5(1.27,2.54) 6(1.27,0) 7(-1.27,2.54) 8(-1.27,0) 9(-3.81,2.54) 10(-3.81,0) 11(-6.35,2.54) 12(-6.35,0)
IND_COIL_XEL5030
  rect 1.18x4.7 smd: 1(-1.655,0) 2(1.655,0)
IND_MUR_BLM18PG
  rect 0.85x0.7 smd: 1(-0.825,0) 2(0.825,0)
INDC160X80X95
  rect 0.71x0.81 smd: 1(-0.645,0) 2(0.645,0)
INDC200X125X110
  rect 0.98x1.32 smd: 1(-0.78,0) 2(0.78,0)
LED_0603
  rect 0.71x0.81 smd: 1(-0.645,0) 2(0.645,0)
LQFP_64
  rect 1.65x0.3 smd: 1(-5.65,3.75) 2(-5.65,3.25) 3(-5.65,2.75) 4(-5.65,2.25) 5(-5.65,1.75) 6(-5.65,1.25) 7(-5.65,0.75) 8(-5.65,0.25) 9(-5.65,-0.25) 10(-5.65,-0.75) 11(-5.65,-1.25) 12(-5.65,-1.75) 13(-5.65,-2.25) 14(-5.65,-2.75) 15(-5.65,-3.25) 16(-5.65,-3.75) 33(5.65,-3.75) 34(5.65,-3.25) 35(5.65,-2.75) 36(5.65,-2.25) 37(5.65,-1.75) 38(5.65,-1.25) 39(5.65,-0.75) 40(5.65,-0.25) 41(5.65,0.25) 42(5.65,0.75) 43(5.65,1.25) 44(5.65,1.75) 45(5.65,2.25) 46(5.65,2.75) 47(5.65,3.25) 48(5.65,3.75)
  rect 0.3x1.65 smd: 17(-3.75,-5.65) 18(-3.25,-5.65) 19(-2.75,-5.65) 20(-2.25,-5.65) 21(-1.75,-5.65) 22(-1.25,-5.65) 23(-0.75,-5.65) 24(-0.25,-5.65) 25(0.25,-5.65) 26(0.75,-5.65) 27(1.25,-5.65) 28(1.75,-5.65) 29(2.25,-5.65) 30(2.75,-5.65) 31(3.25,-5.65) 32(3.75,-5.65) 49(3.75,5.65) 50(3.25,5.65) 51(2.75,5.65) 52(2.25,5.65) 53(1.75,5.65) 54(1.25,5.65) 55(0.75,5.65) 56(0.25,5.65) 57(-0.25,5.65) 58(-0.75,5.65) 59(-1.25,5.65) 60(-1.75,5.65) 61(-2.25,5.65) 62(-2.75,5.65) 63(-3.25,5.65) 64(-3.75,5.65)
MH_NP_M3_SO_600
  round 3.4 hole 3.404 unplated: (0,0)
  round 0.43 smd: 1(0.3,-2.6)
MSOP8E65P490X110
  rect 1x0.4 smd: 1(-2.3,0.975) 2(-2.3,0.325) 3(-2.3,-0.325) 4(-2.3,-0.975) 5(2.3,-0.975) 6(2.3,-0.325) 7(2.3,0.325) 8(2.3,0.975)
  rect 1.9x2.54 smd: 9(0,0)
PQFN05P500X500X100_32P_220EP
  rrect 0.45x0.3 smd: 1(-2.25,1.75) 8(-2.25,-1.75) 17(2.25,-1.75) 24(2.25,1.75)
  rect 0.45x0.3 smd: 2(-2.25,1.25) 3(-2.25,0.75) 4(-2.25,0.25) 5(-2.25,-0.25) 6(-2.25,-0.75) 7(-2.25,-1.25) 18(2.25,-1.25) 19(2.25,-0.75) 20(2.25,-0.25) 21(2.25,0.25) 22(2.25,0.75) 23(2.25,1.25)
  rrect 0.3x0.45 smd: 9(-1.75,-2.25) 16(1.75,-2.25) 25(1.75,2.25) 32(-1.75,2.25)
  rect 0.3x0.45 smd: 10(-1.25,-2.25) 11(-0.75,-2.25) 12(-0.25,-2.25) 13(0.25,-2.25) 14(0.75,-2.25) 15(1.25,-2.25) 26(1.25,2.25) 27(0.75,2.25) 28(0.25,2.25) 29(-0.25,2.25) 30(-0.75,2.25) 31(-1.25,2.25)
  rect 2.2x2.2 smd: 33(0,0)
PQFN10_MP5016HGQH
  custom 0.9x0.75 smd: 1-2(-0.4,0) 6-7(0.4,0)
  rect 0.25x0.7 smd: 3(-0.5,-0.975) 4(0,-0.975) 5(0.5,-0.975) 8(0.5,1.025) 9(0,1.025) 10(-0.5,1.025)
PQFN20_MPS_MPM3840GQV
  rrect 0.8x0.25 smd: 1(-1.4,1.55)
  rect 0.9x0.25 smd: 2(-1.35,0.9) 11(1.35,0.9)
  rect 1.1x0.25 smd: 3(-1.25,0.25) 10(1.25,0.25)
  custom 1.1x1.95 smd: 4-6(-1,-1.25) 7-9(1,-1.25)
  rect 0.8x0.25 smd: 12(1.4,1.55)
  rect 0.25x0.7 smd: 13(1.25,2.45) 14(0.75,2.45) 17(-0.75,2.45) 18(-1.25,2.45)
  rect 0.25x1.1 smd: 15(0.25,2.25) 16(-0.25,2.25)
  oval 0.15x0.25 smd: 19(0.2,0.575) 20(-0.2,0.575)
PQFN_65P210X2110X100-8
  rect 0.43x0.35 smd: 1(-0.965,0.65) 2(-0.965,0) 3(-0.965,-0.65) 4(0.965,-0.65) 5(0.965,0) 6(0.965,0.65)
  rrect 1.2x1 smd: 7(0,0.305)
  rect 0.912x0.357 smd: 8(0.005,-0.785)
QFN05P500X500X90_32_350
  rrect 0.86x0.26 smd: 1(-2.435,1.75) 8(-2.435,-1.75) 17(2.435,-1.75) 24(2.435,1.75)
  rect 0.86x0.26 smd: 2(-2.435,1.25) 3(-2.435,0.75) 4(-2.435,0.25) 5(-2.435,-0.25) 6(-2.435,-0.75) 7(-2.435,-1.25) 18(2.435,-1.25) 19(2.435,-0.75) 20(2.435,-0.25) 21(2.435,0.25) 22(2.435,0.75) 23(2.435,1.25)
  rrect 0.26x0.86 smd: 9(-1.75,-2.435) 16(1.75,-2.435) 25(1.75,2.435) 32(-1.75,2.435)